# KiCad board DCTransistor_Bidirectional.kicad_pcb (continued)
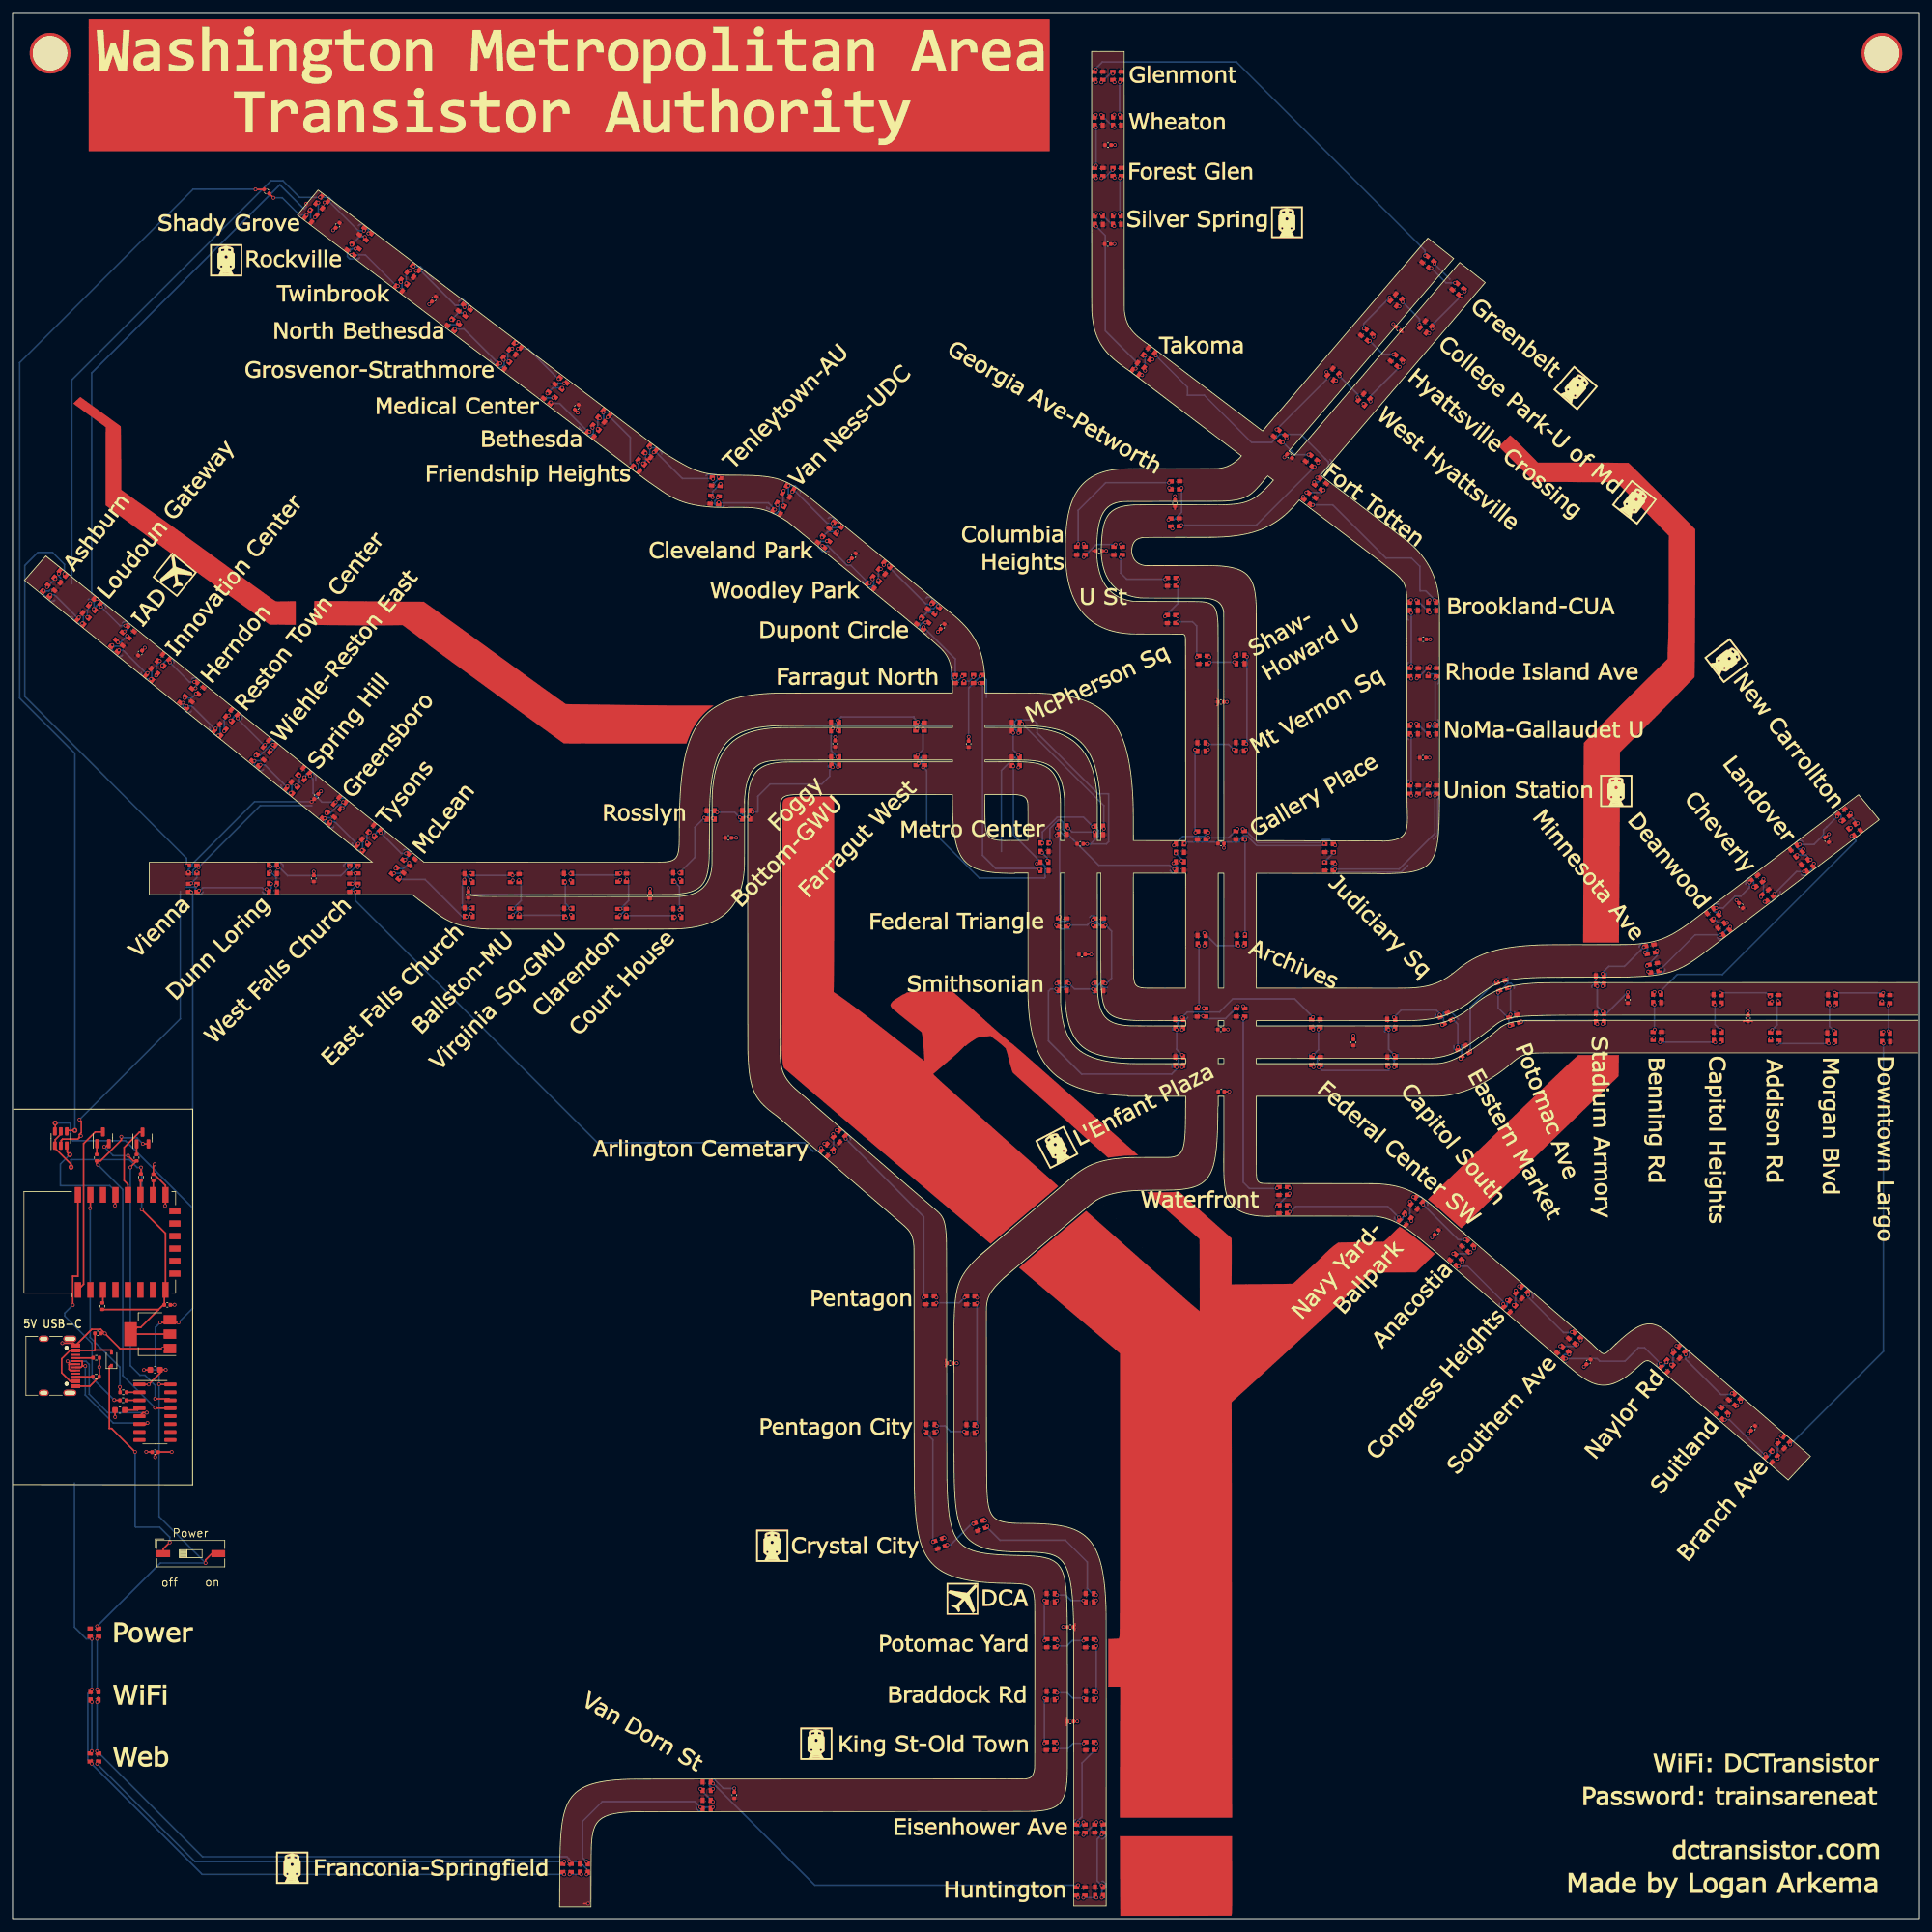
[diagram p0: board, top side]
## Placement (name value [footprint] x y rotation side) (continued)
D106  WS2812B  [LED_WS2812B_2.0x2.0mm-nosilk]  262.9 141.21 180 top
D107  WS2812B  [LED_WS2812B_2.0x2.0mm-nosilk]  262.86 147.23 90 top
D108  WS2812B  [LED_WS2812B_2.0x2.0mm-nosilk#3]  294.43 174.19 128 top
D109  WS2812B  [LED_WS2812B_2.0x2.0mm-nosilk#3]  292.71 176.54 218 top
D110  WS2812B  [LED_WS2812B_2.0x2.0mm-nosilk#3]  285.14 170.8 308 top
D111  WS2812B  [LED_WS2812B_2.0x2.0mm-nosilk#3]  286.87 168.46 308 top
D112  WS2812B  [LED_WS2812B_2.0x2.0mm-nosilk#3]  280.53 163.68 218 top
D113  WS2812B  [LED_WS2812B_2.0x2.0mm-nosilk#3]  278.79 165.98 218 top
D114  WS2812B  [LED_WS2812B_2.0x2.0mm-nosilk#3]  271.79 160.68 308 top
D115  WS2812B  [LED_WS2812B_2.0x2.0mm-nosilk#3]  273.51 158.33 308 top
D116  WS2812B  [LED_WS2812B_2.0x2.0mm-nosilk]  262.36 152.1 191 top
D117  WS2812B  [LED_WS2812B_2.0x2.0mm-nosilk]  261.81 155.07 191 top
D118  WS2812B  [LED_WS2812B_2.0x2.0mm-nosilk]  253.72 150.15 270 top
D119  WS2812B  [LED_WS2812B_2.0x2.0mm-nosilk]  253.73 144.12 270 top
D120  WS2812B  [LED_WS2812B_2.0x2.0mm-nosilk]  240.03 143.79 198 top
D121  WS2812B  [LED_WS2812B_2.0x2.0mm-nosilk]  238.12 149.29 198 top
D122  WS2812B  [LED_WS2812B_2.0x2.0mm-nosilk]  231.91 138.78 209 top
D123  WS2812B  [LED_WS2812B_2.0x2.0mm-nosilk]  229.08 144.02 209 top
D124  WS2812B  [LED_WS2812B_2.0x2.0mm-nosilk]  220.37 143.2 270 top
D125  WS2812B  [LED_WS2812B_2.0x2.0mm-nosilk]  220.41 137.19 270 top
D126  WS2812B  [LED_WS2812B_2.0x2.0mm-nosilk]  208.35 137.2 180 top
D127  WS2812B  [LED_WS2812B_2.0x2.0mm-nosilk]  208.3 143.23 180 top
D128  WS2812B  [LED_WS2812B_2.0x2.0mm-nosilk]  186.49 143.19 270 top
D129  WS2812B  [LED_WS2812B_2.0x2.0mm-nosilk]  186.5 137.2 270 top
D130  WS2812B  [LED_WS2812B_2.0x2.0mm-nosilk]  167.85 149.17 90 top
D131  WS2812B  [LED_WS2812B_2.0x2.0mm-nosilk]  173.71 149.15 90 top
D132  WS2812B  [LED_WS2812B_2.0x2.0mm-nosilk]  173.69 159.35 180 top
D133  WS2812B  [LED_WS2812B_2.0x2.0mm-nosilk]  167.83 159.36 180 top
D134  WS2812B  [LED_WS2812B_2.0x2.0mm-nosilk]  167.85 174.13 90 top
D135  WS2812B  [LED_WS2812B_2.0x2.0mm-nosilk]  173.68 174.07 90 top
D136  WS2812B  [LED_WS2812B_2.0x2.0mm-nosilk]  160.37 190.66 270 top
D137  WS2812B  [LED_WS2812B_2.0x2.0mm-nosilk]  160.36 185.12 270 top
D138  WS2812B  [LED_WS2812B_2.0x2.0mm-nosilk]  145.11 185.15 180 top
D139  WS2812B  [LED_WS2812B_2.0x2.0mm-nosilk]  145.05 190.66 180 top
D140  WS2812B  [LED_WS2812B_2.0x2.0mm-nosilk]  131.48 190.67 270 top
D141  WS2812B  [LED_WS2812B_2.0x2.0mm-nosilk]  131.5 185.17 270 top
D142  WS2812B  [LED_WS2812B_2.0x2.0mm-nosilk]  117.27 176.57 270 top
D143  WS2812B  [LED_WS2812B_2.0x2.0mm-nosilk]  111.6 176.54 270 top
D144  WS2812B  [LED_WS2812B_2.0x2.0mm-nosilk]  106.25 166.62 270 top
D145  WS2812B  [LED_WS2812B_2.0x2.0mm-nosilk]  106.27 160.87 270 top
D146  WS2812B  [LED_WS2812B_2.0x2.0mm-nosilk]  97.42 160.88 180 top
D147  WS2812B  [LED_WS2812B_2.0x2.0mm-nosilk]  97.45 166.52 180 top
D148  WS2812B  [LED_WS2812B_2.0x2.0mm-nosilk]  88.79 166.51 270 top
D149  WS2812B  [LED_WS2812B_2.0x2.0mm-nosilk]  88.83 160.93 270 top
D150  WS2812B  [LED_WS2812B_2.0x2.0mm-nosilk]  80.3 160.93 180 top
D151  WS2812B  [LED_WS2812B_2.0x2.0mm-nosilk]  80.28 166.45 180 top
D152  WS2812B  [LED_WS2812B_2.0x2.0mm-nosilk]  72.9 166.46 270 top
D153  WS2812B  [LED_WS2812B_2.0x2.0mm-nosilk]  72.92 161 270 top
D154  WS2812B  [LED_WS2812B_2.0x2.0mm-nosilk]  61.55 167.21 141 top
D155  WS2812B  [LED_WS2812B_2.0x2.0mm-nosilk]  63.37 169.41 141 top
D156  WS2812B  [LED_WS2812B_2.0x2.0mm-nosilk]  57.79 173.97 231 top
D157  WS2812B  [LED_WS2812B_2.0x2.0mm-nosilk]  55.94 171.71 231 top
D158  WS2812B  [LED_WS2812B_2.0x2.0mm-nosilk]  50.48 176.11 141 top
D159  WS2812B  [LED_WS2812B_2.0x2.0mm-nosilk]  52.28 178.41 231 top
D160  WS2812B  [LED_WS2812B_2.0x2.0mm-nosilk]  46.54 183.11 231 top
D161  WS2812B  [LED_WS2812B_2.0x2.0mm-nosilk]  44.66 180.87 231 top
D162  WS2812B  [LED_WS2812B_2.0x2.0mm-nosilk]  39.21 185.27 141 top
D163  WS2812B  [LED_WS2812B_2.0x2.0mm-nosilk]  41.02 187.53 231 top
D164  WS2812B  [LED_WS2812B_2.0x2.0mm-nosilk]  35.02 192.4 231 top
D165  WS2812B  [LED_WS2812B_2.0x2.0mm-nosilk]  33.18 190.12 231 top
D166  WS2812B  [LED_WS2812B_2.0x2.0mm-nosilk]  27.71 194.58 141 top
D167  WS2812B  [LED_WS2812B_2.0x2.0mm-nosilk]  29.58 196.82 141 top
D168  WS2812B  [LED_WS2812B_2.0x2.0mm-nosilk]  24.08 201.27 231 top
D169  WS2812B  [LED_WS2812B_2.0x2.0mm-nosilk]  22.25 199 231 top
D170  WS2812B  [LED_WS2812B_2.0x2.0mm-nosilk]  16.65 203.54 141 top
D171  WS2812B  [LED_WS2812B_2.0x2.0mm-nosilk]  18.49 205.79 141 top
D172  WS2812B  [LED_WS2812B_2.0x2.0mm-nosilk]  13.11 210.16 231 top
D173  WS2812B  [LED_WS2812B_2.0x2.0mm-nosilk]  11.28 207.89 231 top
D174  WS2812B  [LED_WS2812B_2.0x2.0mm-nosilk]  5.75 212.35 141 top
D175  WS2812B  [LED_WS2812B_2.0x2.0mm-nosilk]  7.59 214.62 51 top
D176  WS2812B  [LED_WS2812B_2.0x2.0mm-nosilk]  28.81 167.84 0 top
D177  WS2812B  [LED_WS2812B_2.0x2.0mm-nosilk]  28.82 164.9 0 top
D178  WS2812B  [LED_WS2812B_2.0x2.0mm-nosilk]  41.62 164.93 90 top
D179  WS2812B  [LED_WS2812B_2.0x2.0mm-nosilk]  41.6 167.86 90 top
D180  WS2812B  [LED_WS2812B_2.0x2.0mm-nosilk]  54.56 167.84 0 top
D181  WS2812B  [LED_WS2812B_2.0x2.0mm-nosilk]  54.56 164.92 0 top
D182  WS2812B  [LED_WS2812B_2.0x2.0mm-nosilk#2]  130.22 122.98 49 top
D183  WS2812B  [LED_WS2812B_2.0x2.0mm-nosilk#2]  132.15 125.17 49 top
D184  WS2812B  [LED_WS2812B_2.0x2.0mm-nosilk]  146.66 98.98 0 top
D185  WS2812B  [LED_WS2812B_2.0x2.0mm-nosilk]  153.17 98.97 0 top
D186  WS2812B  [LED_WS2812B_2.0x2.0mm-nosilk]  153.12 78.41 270 top
D187  WS2812B  [LED_WS2812B_2.0x2.0mm-nosilk]  146.74 78.46 270 top
D188  WS2812B  [LED_WS2812B_2.0x2.0mm-nosilk]  148.25 60.1 21 top
D189  WS2812B  [LED_WS2812B_2.0x2.0mm-nosilk]  154.69 62.99 21 top
D190  WS2812B  [LED_WS2812B_2.0x2.0mm-nosilk]  172.18 51.42 270 top
D191  WS2812B  [LED_WS2812B_2.0x2.0mm-nosilk]  165.94 51.42 270 top
D192  WS2812B  [LED_WS2812B_2.0x2.0mm-nosilk]  166 44.16 0 top
D193  WS2812B  [LED_WS2812B_2.0x2.0mm-nosilk]  172.2 44.15 0 top
D194  WS2812B  [LED_WS2812B_2.0x2.0mm-nosilk]  172.23 35.82 270 top
D195  WS2812B  [LED_WS2812B_2.0x2.0mm-nosilk]  165.94 35.8 270 top
D196  WS2812B  [LED_WS2812B_2.0x2.0mm-nosilk]  165.92 27.74 0 top
D197  WS2812B  [LED_WS2812B_2.0x2.0mm-nosilk]  172.22 27.73 0 top
D198  WS2812B  [LED_WS2812B_2.0x2.0mm-nosilk]  170.75 14.53 0 top
D199  WS2812B  [LED_WS2812B_2.0x2.0mm-nosilk]  173.66 14.54 0 top
D200  WS2812B  [LED_WS2812B_2.0x2.0mm-nosilk]  173.67 4.49 270 top
D201  WS2812B  [LED_WS2812B_2.0x2.0mm-nosilk]  170.74 4.49 180 top
D202  WS2812B  [LED_WS2812B_2.0x2.0mm-nosilk]  110.96 21.29 270 top
D203  WS2812B  [LED_WS2812B_2.0x2.0mm-nosilk]  110.95 18.38 270 top
D204  WS2812B  [LED_WS2812B_2.0x2.0mm-nosilk]  91.33 8.22 270 top
D205  WS2812B  [LED_WS2812B_2.0x2.0mm-nosilk]  88.61 8.23 180 top
D206  WS2812B  [LED_WS2812B_2.0x2.0mm-nosilk]  13.09 25.89 180 top
D207  WS2812B  [LED_WS2812B_2.0x2.0mm-nosilk]  13.1 35.76 90 top
D208  WS2812B  [LED_WS2812B_2.0x2.0mm-nosilk]  13.09 45.86 180 top
J0  USB_C_Receptacle  [USB_C_Receptacle_HRO_TYPE-C-31-M-12]  6.04 88.5 270 top
M2_0  -  [MountingHole_5.5mm_Pad]  298.8 298.3 180 top
M2_0#2  -  [MountingHole_5.5mm_Pad]  6 298.3 0 top
Q0  MMBT3904  [SOT-23]  14.45 124.94 90 top
Q1  MMBT3904  [SOT-23]  20.78 124.91 90 top
R0  5.1kR  [R_0402_1005Metric]  13.39 89.78 180 top
R1  470  [R_0402_1005Metric]  17.7 84.26 180 top
R2  470  [R_0402_1005Metric]  17.68 82.99 180 top
R3  5.1kR  [R_0402_1005Metric]  13.36 86.75 180 top
R4  12k  [R_0402_1005Metric]  13.47 121.76 90 top
R5  12k  [R_0402_1005Metric]  19.83 121.76 90 top
R6  10k  [R_0402_1005Metric]  14.35 98.03 90 top
R7  10k  [R_0402_1005Metric]  20.52 118.66 90 top
R8  300R  [R_0402_1005Metric]  40.61 276.21 142 top
R9  10k  [R_0402_1005Metric]  22.52 118.62 90 top
Ref**  Val**  [DCTransistor-Adjusted_Stations]  152.35 152.77 0 top
SW0  SW_SPST  [SW_DIP_SPSTx01_Slide_6.7x4.1mm_W6.73mm_P2.54mm_LowProfile_JPin]  28.49 58.47 0 top
U0  CH340C  [SOIC-16_3.9x9.9mm_P1.27mm]  22.76 81.08 0 top
U1  AMS1117-3.3  [SOT-223-3_TabPin2]  22.01 93.56 180 top
U2  ESP-12F  [ESP-12E]  13.95 108.23 90 top
U3  SN74LVC1T45DBV  [SOT-23-6]  7.72 124.83 90 top

## Footprints (pads in the part's own frame, mm; a bottom-side part is the same pattern mirrored in y, then rotated)
C_0402_1005Metric
  rrect 0.56x0.62 smd: 1(-0.48,0) 2(0.48,0)
C_0603_1608Metric
  rrect 0.9x0.95 smd: 1(-0.775,0) 2(0.775,0)
D_SOD-323
  rect 0.6x0.45 smd: 1(-1.05,0) 2(1.05,0)
ESP-12E
  rect 2.5x1 smd: 1(-7.6,3.5) 2(-7.6,1.5) 3(-7.6,-0.5) 4(-7.6,-2.5) 5(-7.6,-4.5) 6(-7.6,-6.5) 7(-7.6,-8.5) 8(-7.6,-10.5) 15(7.6,-10.5) 16(7.6,-8.5) 17(7.6,-6.5) 18(7.6,-4.5) 19(7.6,-2.5) 20(7.6,-0.5) 21(7.6,1.5) 22(7.6,3.5)
  rect 1x1.8 smd: 9(-5,-12) 10(-3,-12) 11(-1,-12) 12(1,-12) 13(3,-12) 14(5,-12)
LED_WS2812B_2.0x2.0mm-nosilk
  rect 0.85x0.65 smd: 1(0.675,-0.65) 2(0.675,0.65) 3(-0.675,0.65) 4(-0.675,-0.65)
LED_WS2812B_2.0x2.0mm-nosilk#2
  rect 0.85x0.65 smd: 1(0.675,-0.65) 2(0.675,0.65) 3(-0.675,0.65) 4(-0.675,-0.65)
LED_WS2812B_2.0x2.0mm-nosilk#3
  rect 0.85x0.65 smd: 1(0.675,-0.65) 2(0.675,0.65) 3(-0.675,0.65) 4(-0.675,-0.65)
MountingHole_5.5mm_Pad
  round 6.5 hole 5.5: 1(0,0)
R_0402_1005Metric
  rrect 0.54x0.64 smd: 1(-0.51,0) 2(0.51,0)
SOIC-16_3.9x9.9mm_P1.27mm
  rrect 1.95x0.6 smd: 1(-2.475,4.445) 2(-2.475,3.175) 3(-2.475,1.905) 4(-2.475,0.635) 5(-2.475,-0.635) 6(-2.475,-1.905) 7(-2.475,-3.175) 8(-2.475,-4.445) 9(2.475,-4.445) 10(2.475,-3.175) 11(2.475,-1.905) 12(2.475,-0.635) 13(2.475,0.635) 14(2.475,1.905) 15(2.475,3.175) 16(2.475,4.445)
SOT-23
  rrect 1.475x0.6 smd: 1(-0.938,0.95) 2(-0.938,-0.95) 3(0.938,0)
SOT-23-6
  rrect 1.325x0.6 smd: 1(-1.137,0.95) 2(-1.137,0) 3(-1.137,-0.95) 4(1.137,-0.95) 5(1.137,0) 6(1.137,0.95)
SOT-223-3_TabPin2
  rect 2x1.5 smd: 1(-3.15,2.3) 2(-3.15,0) 3(-3.15,-2.3)
  rect 2x3.8 smd: 2(3.15,0)
SW_DIP_SPSTx01_Slide_6.7x4.1mm_W6.73mm_P2.54mm_LowProfile_JPin
  rect 2.2x1.12 smd: 1(-4.4,0) 2(4.4,0)
USB_C_Receptacle_HRO_TYPE-C-31-M-12
  round 0.65 hole 0.65 unplated: (-2.89,2.6) (2.89,2.6)
  rect 0.6x1.45 smd: A1(-3.25,4.045) A4(-2.45,4.045) A9(2.45,4.045) A12(3.25,4.045) B1(3.25,4.045) B4(2.45,4.045) B9(-2.45,4.045) B12(-3.25,4.045)
  rect 0.3x1.45 smd: A5(-1.25,4.045) A6(-0.25,4.045) A7(0.25,4.045) A8(1.25,4.045) B5(1.75,4.045) B6(0.75,4.045) B7(-0.75,4.045) B8(-1.75,4.045)
  oval 1x2.1 hole 0.6x1.7: S1(-4.32,3.13) S1(4.32,3.13)
  oval 1x1.6 hole 0.6x1.2: S1(-4.32,-1.05) S1(4.32,-1.05)

## Nets
+3V3: C3.1 R6.1 R7.2 U1.2 U2.8 U3.1 U3.5
+5V: C0.1 C4.2 C5.1 C6.1 C7.1 C8.1 C9.1 C10.1 C11.1 C12.1 C13.1 C14.1 C15.1 C16.1 C17.1 C18.1 C19.1 C20.1 C21.1 C22.1 C23.1 C24.1 C25.1 C26.1 C27.1 C28.1 C29.1 C30.1 C31.1 C32.1 C33.1 C34.1 C35.1 C36.1 C37.1 C38.1 C39.1 C40.1 C41.1 C42.1 C43.1 D2.4 D3.4 D4.4 D5.4 D6.4 D7.4 D8.4 D9.4 D10.4 D11.4 D12.4 D13.4 D14.4 D15.4 D16.4 D17.4 D18.4 D19.4 D20.4 D21.4 D22.4 D23.4 D24.4 D25.4 D26.4 D27.4 D28.4 D29.4 D30.4 D31.4 D32.4 D33.4 D34.4 D35.4 D36.4 D37.4 D38.4 D39.4 D40.4 D41.4 D42.4 D43.4 D44.4 D45.4 D46.4 D47.4 D48.4 D49.4 D50.4 D51.4 D52.4 D53.4 D54.4 D55.4 D56.4 D57.4 D58.4 D59.4 D60.4 D61.4 D62.4 D63.4 D64.4 D65.4 D66.4 D67.4 D68.4 D69.4 D70.4 D71.4 D72.4 D73.4 D74.4 D75.4 D76.4 D77.4 D78.4 D79.4 D80.4 D81.4 D82.4 D83.4 D84.4 D85.4 D86.4 D87.4 D88.4 D89.4 D90.4 D91.4 D92.4 D93.4 D94.4 D95.4 D96.4 D97.4 D98.4 D99.4 D100.4 D101.4 D102.4 D103.4 D104.4 D105.4 D106.4 D107.4 D108.4 D109.4 D110.4 D111.4 D112.4 D113.4 D114.4 D115.4 D116.4 D117.4 D118.4 D119.4 D120.4 D121.4 D122.4 D123.4 D124.4 D125.4 D126.4 D127.4 D128.4 D129.4 D130.4 D131.4 D132.4 D133.4 D134.4 D135.4 D136.4 D137.4 D138.4 D139.4 D140.4 D141.4 D142.4 D143.4 D144.4 D145.4 D146.4 D147.4 D148.4 D149.4 D150.4 D151.4 D152.4 D153.4 D154.4 D155.4 D156.4 D157.4 D158.4 D159.4 D160.4 D161.4 D162.4 D163.4 D164.4 D165.4 D166.4 D167.4 D168.4 D169.4 D170.4 D171.4 D172.4 D173.4 D174.4 D175.4 D176.4 D177.4 D178.4 D179.4 D180.4 D181.4 D182.4 D183.4 D184.4 D185.4 D186.4 D187.4 D188.4 D189.4 D190.4 D191.4 D192.4 D193.4 D194.4 D195.4 D196.4 D197.4 D198.4 D199.4 D200.4 D201.4 D202.4 D203.4 D204.4 D205.4 D206.4 D207.4 D208.4 SW0.2 U0.16 U1.3 U3.6
GND: C0.2 C1.2 C2.2 C3.2 C4.1 C5.2 C6.2 C7.2 C8.2 C9.2 C10.2 C11.2 C12.2 C13.2 C14.2 C15.2 C16.2 C17.2 C18.2 C19.2 C20.2 C21.2 C22.2 C23.2 C24.2 C25.2 C26.2 C27.2 C28.2 C29.2 C30.2 C31.2 C32.2 C33.2 C34.2 C35.2 C36.2 C37.2 C38.2 C39.2 C40.2 C41.2 C42.2 C43.2 D2.2 D3.2 D4.2 D5.2 D6.2 D7.2 D8.2 D9.2 D10.2 D11.2 D12.2 D13.2 D14.2 D15.2 D16.2 D17.2 D18.2 D19.2 D20.2 D21.2 D22.2 D23.2 D24.2 D25.2 D26.2 D27.2 D28.2 D29.2 D30.2 D31.2 D32.2 D33.2 D34.2 D35.2 D36.2 D37.2 D38.2 D39.2 D40.2 D41.2 D42.2 D43.2 D44.2 D45.2 D46.2 D47.2 D48.2 D49.2 D50.2 D51.2 D52.2 D53.2 D54.2 D55.2 D56.2 D57.2 D58.2 D59.2 D60.2 D61.2 D62.2 D63.2 D64.2 D65.2 D66.2 D67.2 D68.2 D69.2 D70.2 D71.2 D72.2 D73.2 D74.2 D75.2 D76.2 D77.2 D78.2 D79.2 D80.2 D81.2 D82.2 D83.2 D84.2 D85.2 D86.2 D87.2 D88.2 D89.2 D90.2 D91.2 D92.2 D93.2 D94.2 D95.2 D96.2 D97.2 D98.2 D99.2 D100.2 D101.2 D102.2 D103.2 D104.2 D105.2 D106.2 D107.2 D108.2 D109.2 D110.2 D111.2 D112.2 D113.2 D114.2 D115.2 D116.2 D117.2 D118.2 D119.2 D120.2 D121.2 D122.2 D123.2 D124.2 D125.2 D126.2 D127.2 D128.2 D129.2 D130.2 D131.2 D132.2 D133.2 D134.2 D135.2 D136.2 D137.2 D138.2 D139.2 D140.2 D141.2 D142.2 D143.2 D144.2 D145.2 D146.2 D147.2 D148.2 D149.2 D150.2 D151.2 D152.2 D153.2 D154.2 D155.2 D156.2 D157.2 D158.2 D159.2 D160.2 D161.2 D162.2 D163.2 D164.2 D165.2 D166.2 D167.2 D168.2 D169.2 D170.2 D171.2 D172.2 D173.2 D174.2 D175.2 D176.2 D177.2 D178.2 D179.2 D180.2 D181.2 D182.2 D183.2 D184.2 D185.2 D186.2 D187.2 D188.2 D189.2 D190.2 D191.2 D192.2 D193.2 D194.2 D195.2 D196.2 D197.2 D198.2 D199.2 D200.2 D201.2 D202.2 D203.2 D204.2 D205.2 D206.2 D207.2 D208.2 J0.A1 J0.A12 J0.B1 J0.B12 J0.S1 R0.1 R3.1 R9.2 U0.1 U1.1 U2.15 U3.2
VBUS: C1.1 D0.2 J0.A4 J0.A9 J0.B4 J0.B9
/73-74: D73.1 D74.3
/145-146: D145.1 D146.3
/DIN: D2.3 R8.1
/esp-gpio0: Q1.3 U2.18
/esp-rst: Q0.3 U2.1
/GPIO_DATA: U2.19 U3.3
/rxd-to-tx: R2.2 U2.22
/txd-to-rx: R1.2 U2.21
Net-(C2-Pad1): C2.1 U0.4
Net-(D0-Pad1): D0.1 SW0.1
Net-(D2-Pad1): D2.1 D3.3
Net-(D3-Pad1): D3.1 D4.3
Net-(D4-Pad1): D4.1 D5.3
Net-(D5-Pad1): D5.1 D6.3
Net-(D6-Pad1): D6.1 D7.3
Net-(D7-Pad1): D7.1 D8.3
Net-(D8-Pad1): D8.1 D9.3
Net-(D10-Pad1): D10.1 D11.3
Net-(D10-Pad3): D9.1 D10.3
Net-(D11-Pad1): D11.1 D12.3
Net-(D12-Pad1): D12.1 D13.3
Net-(D13-Pad1): D13.1 D14.3
Net-(D14-Pad1): D14.1 D15.3
Net-(D15-Pad1): D15.1 D16.3
Net-(D16-Pad1): D16.1 D17.3
Net-(D17-Pad1): D17.1 D18.3
Net-(D18-Pad1): D18.1 D19.3
Net-(D19-Pad1): D19.1 D20.3
Net-(D20-Pad1): D20.1 D21.3
Net-(D21-Pad1): D21.1 D22.3
Net-(D22-Pad1): D22.1 D23.3
Net-(D23-Pad1): D23.1 D24.3
Net-(D24-Pad1): D24.1 D25.3
Net-(D25-Pad1): D25.1 D26.3
Net-(D26-Pad1): D26.1 D27.3
Net-(D27-Pad1): D27.1 D28.3
Net-(D28-Pad1): D28.1 D29.3
Net-(D29-Pad1): D29.1 D30.3
Net-(D30-Pad1): D30.1 D31.3
Net-(D31-Pad1): D31.1 D32.3
Net-(D32-Pad1): D32.1 D33.3
Net-(D33-Pad1): D33.1 D34.3
Net-(D34-Pad1): D34.1 D35.3
Net-(D35-Pad1): D35.1 D36.3
Net-(D36-Pad1): D36.1 D37.3
Net-(D37-Pad1): D37.1 D38.3
Net-(D38-Pad1): D38.1 D39.3
Net-(D39-Pad1): D39.1 D40.3
Net-(D40-Pad1): D40.1 D41.3
Net-(D41-Pad1): D41.1 D42.3
Net-(D42-Pad1): D42.1 D43.3
Net-(D43-Pad1): D43.1 D44.3
Net-(D44-Pad1): D44.1 D45.3
Net-(D45-Pad1): D45.1 D46.3
Net-(D46-Pad1): D46.1 D47.3
Net-(D47-Pad1): D47.1 D48.3
Net-(D48-Pad1): D48.1 D49.3
Net-(D49-Pad1): D49.1 D50.3
Net-(D50-Pad1): D50.1 D51.3
Net-(D51-Pad1): D51.1 D52.3
Net-(D52-Pad1): D52.1 D53.3
Net-(D53-Pad1): D53.1 D54.3
Net-(D54-Pad1): D54.1 D55.3
Net-(D55-Pad1): D55.1 D56.3
Net-(D56-Pad1): D56.1 D57.3
Net-(D57-Pad1): D57.1 D58.3
Net-(D58-Pad1): D58.1 D59.3
Net-(D59-Pad1): D59.1 D60.3
Net-(D60-Pad1): D60.1 D61.3
Net-(D61-Pad1): D61.1 D62.3
Net-(D62-Pad1): D62.1 D63.3
Net-(D63-Pad1): D63.1 D64.3
Net-(D64-Pad1): D64.1 D65.3
Net-(D65-Pad1): D65.1 D66.3
Net-(D66-Pad1): D66.1 D67.3
Net-(D67-Pad1): D67.1 D68.3
Net-(D68-Pad1): D68.1 D69.3
Net-(D69-Pad1): D69.1 D70.3
Net-(D70-Pad1): D70.1 D71.3
Net-(D71-Pad1): D71.1 D72.3
Net-(D72-Pad1): D72.1 D73.3
Net-(D74-Pad1): D74.1 D75.3
Net-(D75-Pad1): D75.1 D76.3
Net-(D76-Pad1): D76.1 D77.3
Net-(D77-Pad1): D77.1 D78.3
Net-(D78-Pad1): D78.1 D79.3
Net-(D79-Pad1): D79.1 D80.3
Net-(D80-Pad1): D80.1 D81.3
Net-(D81-Pad1): D81.1 D82.3
Net-(D82-Pad1): D82.1 D83.3
Net-(D83-Pad1): D83.1 D84.3
Net-(D84-Pad1): D84.1 D85.3
Net-(D85-Pad1): D85.1 D86.3
Net-(D86-Pad1): D86.1 D87.3
Net-(D87-Pad1): D87.1 D88.3
Net-(D88-Pad1): D88.1 D89.3
Net-(D89-Pad1): D89.1 D90.3
Net-(D90-Pad1): D90.1 D91.3
Net-(D91-Pad1): D91.1 D92.3
Net-(D92-Pad1): D92.1 D93.3
Net-(D93-Pad1): D93.1 D94.3
Net-(D94-Pad1): D94.1 D95.3
Net-(D95-Pad1): D95.1 D96.3
Net-(D96-Pad1): D96.1 D97.3
Net-(D97-Pad1): D97.1 D98.3
Net-(D98-Pad1): D98.1 D99.3
Net-(D100-Pad1): D100.1 D101.3
Net-(D100-Pad3): D99.1 D100.3
Net-(D101-Pad1): D101.1 D102.3
Net-(D102-Pad1): D102.1 D103.3
Net-(D103-Pad1): D103.1 D104.3
Net-(D104-Pad1): D104.1 D105.3
Net-(D105-Pad1): D105.1 D106.3
Net-(D106-Pad1): D106.1 D107.3
Net-(D107-Pad1): D107.1 D108.3
Net-(D108-Pad1): D108.1 D109.3
Net-(D109-Pad1): D109.1 D110.3
Net-(D110-Pad1): D110.1 D111.3
Net-(D111-Pad1): D111.1 D112.3
Net-(D112-Pad1): D112.1 D113.3
Net-(D113-Pad1): D113.1 D114.3
Net-(D114-Pad1): D114.1 D115.3
Net-(D115-Pad1): D115.1 D116.3
Net-(D116-Pad1): D116.1 D117.3
Net-(D117-Pad1): D117.1 D118.3
Net-(D118-Pad1): D118.1 D119.3
Net-(D119-Pad1): D119.1 D120.3
Net-(D120-Pad1): D120.1 D121.3
Net-(D121-Pad1): D121.1 D122.3
Net-(D122-Pad1): D122.1 D123.3
Net-(D123-Pad1): D123.1 D124.3
Net-(D124-Pad1): D124.1 D125.3
Net-(D125-Pad1): D125.1 D126.3
Net-(D126-Pad1): D126.1 D127.3
Net-(D127-Pad1): D127.1 D128.3
Net-(D128-Pad1): D128.1 D129.3
Net-(D129-Pad1): D129.1 D130.3
Net-(D130-Pad1): D130.1 D131.3
Net-(D131-Pad1): D131.1 D132.3
Net-(D132-Pad1): D132.1 D133.3
Net-(D133-Pad1): D133.1 D134.3
Net-(D134-Pad1): D134.1 D135.3
Net-(D135-Pad1): D135.1 D136.3
Net-(D136-Pad1): D136.1 D137.3
Net-(D137-Pad1): D137.1 D138.3
Net-(D138-Pad1): D138.1 D139.3
Net-(D139-Pad1): D139.1 D140.3
Net-(D140-Pad1): D140.1 D141.3
Net-(D141-Pad1): D141.1 D142.3
Net-(D142-Pad1): D142.1 D143.3
Net-(D143-Pad1): D143.1 D144.3
Net-(D144-Pad1): D144.1 D145.3
Net-(D146-Pad1): D146.1 D147.3
Net-(D147-Pad1): D147.1 D148.3
Net-(D148-Pad1): D148.1 D149.3
Net-(D149-Pad1): D149.1 D150.3
Net-(D150-Pad1): D150.1 D151.3
Net-(D151-Pad1): D151.1 D152.3
Net-(D152-Pad1): D152.1 D153.3
Net-(D153-Pad1): D153.1 D154.3
Net-(D154-Pad1): D154.1 D155.3
Net-(D155-Pad1): D155.1 D156.3
Net-(D156-Pad1): D156.1 D157.3
Net-(D157-Pad1): D157.1 D158.3
Net-(D158-Pad1): D158.1 D159.3
Net-(D159-Pad1): D159.1 D160.3
Net-(D160-Pad1): D160.1 D161.3
Net-(D161-Pad1): D161.1 D162.3
Net-(D162-Pad1): D162.1 D163.3
Net-(D163-Pad1): D163.1 D164.3
Net-(D164-Pad1): D164.1 D165.3
Net-(D165-Pad1): D165.1 D166.3
Net-(D166-Pad1): D166.1 D167.3
Net-(D167-Pad1): D167.1 D168.3
Net-(D168-Pad1): D168.1 D169.3
Net-(D169-Pad1): D169.1 D170.3
Net-(D170-Pad1): D170.1 D171.3
Net-(D171-Pad1): D171.1 D172.3
Net-(D172-Pad1): D172.1 D173.3
Net-(D173-Pad1): D173.1 D174.3
Net-(D174-Pad1): D174.1 D175.3
Net-(D175-Pad1): D175.1 D176.3
Net-(D176-Pad1): D176.1 D177.3
Net-(D177-Pad1): D177.1 D178.3
Net-(D178-Pad1): D178.1 D179.3
Net-(D179-Pad1): D179.1 D180.3
Net-(D180-Pad1): D180.1 D181.3
Net-(D181-Pad1): D181.1 D182.3
Net-(D182-Pad1): D182.1 D183.3
Net-(D183-Pad1): D183.1 D184.3
Net-(D184-Pad1): D184.1 D185.3
Net-(D185-Pad1): D185.1 D186.3
Net-(D186-Pad1): D186.1 D187.3
Net-(D187-Pad1): D187.1 D188.3
Net-(D188-Pad1): D188.1 D189.3
Net-(D189-Pad1): D189.1 D190.3
Net-(D190-Pad1): D190.1 D191.3
Net-(D191-Pad1): D191.1 D192.3
Net-(D192-Pad1): D192.1 D193.3
Net-(D193-Pad1): D193.1 D194.3
Net-(D194-Pad1): D194.1 D195.3
Net-(D195-Pad1): D195.1 D196.3
Net-(D196-Pad1): D196.1 D197.3
Net-(D197-Pad1): D197.1 D198.3
Net-(D198-Pad1): D198.1 D199.3
Net-(D199-Pad1): D199.1 D200.3
Net-(D200-Pad1): D200.1 D201.3
Net-(D201-Pad1): D201.1 D202.3
Net-(D202-Pad1): D202.1 D203.3
Net-(D203-Pad1): D203.1 D204.3
Net-(D204-Pad1): D204.1 D205.3
Net-(D205-Pad1): D205.1 D206.3
Net-(D206-Pad1): D206.1 D207.3
Net-(D207-Pad1): D207.1 D208.3
Net-(J0-PadA5): J0.A5 R0.2
Net-(J0-PadA6): J0.A6 J0.B6 U0.5
Net-(J0-PadA7): J0.A7 J0.B7 U0.6
Net-(J0-PadB5): J0.B5 R3.2
Net-(Q0-Pad1): Q0.1 R4.2
Net-(Q0-Pad2): Q0.2 R5.1 U0.14
Net-(Q1-Pad1): Q1.1 R5.2
Net-(Q1-Pad2): Q1.2 R4.1 U0.13
Net-(R1-Pad1): R1.1 U0.2
Net-(R2-Pad1): R2.1 U0.3
Net-(R6-Pad2): R6.2 U2.3
Net-(R7-Pad1): R7.1 U2.17
Net-(R8-Pad2): R8.2 U3.4
Net-(R9-Pad1): R9.1 U2.16

Pads without a net: D208 1; J0 A8 B8; M2_0 1; M2_0#2 1; U0 7 8 9 10 11 12 15; U2 2 4 5 6 7 9 10 11 12 13 14 20

## Via types
v1: diameter 0.6, hole 0.4, Top to Bottom, 712 vias
v2: diameter 0.8, hole 0.4, Top to Bottom, 4 vias

## Routing (per net, layer and track width the routed paths; a pad name or vN(x,y) marks a point on that pad's centre or on a via; arc(x,y) is an arc through that point)
+3V3: length 67.9
  Top w0.25: 7.79,126 7.79,125.6 6.84,124.65 6.84,123.24 ; 20.47,119.21 20.55,119.29 20.55,120.18 ; U1.2 U1.2 19.94,94.64 20.49,94.64 23.33,97.48 ; 23.33,97.48 24.08,98.23 C3.1 24.27,100.29 24.45,100.47 24.45,109.68 v1(20.65,113.48) ; 23.33,97.48 23.32,97.49 14.38,97.49 R6.1 ; v2(9.36,120.25) 9.36,120.72 6.77,123.31 U3.1
  Bottom w0.25: 20.63,113.5 v1(20.65,113.48) 20.65,120.08 v1(20.54,120.19) 19.92,120.19 18.64,121.46 9.36,121.46 9.35,121.45 ; v2(9.36,120.25) 9.36,121.44 9.35,121.45
+5V: length 401.8
  Top w0.25: 31.86,58.47 30.85,57.47 v1(30.85,56.98) ; 168.48,32.25 168.48,31.78 C33.1 168.46,31.46 168.46,31.01 ; 13.52,26.31 13.52,26.9 v1(13.51,26.9) ; v1(21,87.83) 22,87.83 22.02,87.86 ; v1(13.52,211.05) 13.34,211.05 13.05,210.76 ; v1(23.43,85.55) 23.45,85.53 U0.16 ; v1(23.61,95.41) 26.32,95.41 ; 149.14,88.35 149.14,88.67 C35.1 149.14,89.15 149.14,89.51 ; v1(13.53,34.76) 13.53,34.76 13.53,35.34 ; v1(13.52,46.87) 13.52,46.87 13.52,46.29 ; 6.84,126 6.84,127.28 v2(6.82,127.3) ; 89.03,8.66 89,8.69 v1(89,9.25) 89,9.17 D205.4 ; 192.5,194.01 192.65,194.16 C17.1 192.65,194.98 192.52,195.11 ; C11.1 185.8,225.43 ; C40.1 221.9,253.96 222.19,253.67 ; D17.4 101.67,233.4 101.3,233.4 101.78,232.92 ; C22.1 172.64,218.74 ; 276.68,143.52 276.75,143.59 C21.1 278.01,143.59 278.07,143.53 ; 28.39,167.42 28.12,167.42 v1(28.12,167.42) ; v1(28.57,164.21) 28.57,164.3 28.39,164.48 ; C15.1 48.25,179.1 v1(47.81,178.66) ; 169.82,47.28 169.82,47 C10.1 169.8,46.52 169.8,46.21 ; v1(92,2.57) 91.33,2.57 ; v1(21.37,74.75) 22.04,74.75
  Bottom w0.25: v1(26.53,95.41) 28.8,97.68 28.8,113.73 ; v1(47.81,178.66) 38.68,178.66 28.69,168.67 28.69,168.43 28.12,167.86 v1(28.12,167.42) ; v1(23.61,95.41) 22.83,94.63 22.83,88.46 23.43,87.86 ; 28.8,113.73 18.05,124.48 9.59,124.48 ; 28.8,113.73 28.8,163.98 v1(28.57,164.21) ; 20.99,87.82 v1(21,87.83) 23.4,87.83 23.43,87.86 ; v1(92,2.57) 92.38,2.95 92.38,7.48 90.61,9.25 v1(89,9.25) 89,9.65 88.61,10.04 30.37,10.04 v1(13.51,26.9) 13.51,34.74 v1(13.53,34.76) ; 23.43,87.86 v1(23.43,85.55) 23.43,74.71 ; 9.71,124.47 9.25,124.94 9.25,127.27 9.25,127.28 9.23,127.3 v2(6.82,127.3) ; 23.43,74.71 23.38,74.76 21.38,74.76 v1(21.37,74.75) ; 23.43,74.71 23.43,64.4 v1(30.85,56.98) 23.63,56.98 v1(13.52,46.87) ; v1(13.52,211.05) 12.66,211.91 12.66,247.2 42.73,277.27 46.6,273.39 46.96,273.75 v1(46.96,274.25)
GND: length 955.8
  Top w0.25: 170.31,4.06 170.31,3.5 v1(170.32,3.49) ; v1(190.35,145.66) 190.46,145.56 190.46,145.4 ; v1(171.17,15.54) 171.18,15.54 171.18,14.95 ; v1(233.6,107.27) 233.19,107.68 233.19,107.69 ; 225.95,253.95 226.02,253.95 v1(226.43,253.54) ; 196.6,187 197.16,187 v1(197.18,187.02) ; v1(41.34,165.55) 41.34,165.5 41.2,165.36 ; v1(254.15,149.16) 254.15,149.17 254.15,149.73 ; v1(164.62,172.04) 164.62,171.91 164.53,171.81 ; 239.25,98.6 239.25,98.61 v1(238.86,99) ; 254.16,143.7 254.16,143.14 v1(254.16,143.13) ; v1(221.67,257.82) 221.24,258.25 221.21,258.25 ; 24.45,115.31 24.45,114.13 v1(24.39,114.07) ; v1(41.34,186.95) 41.32,186.93 41.08,186.93 ; v1(122.25,226.07) 122.25,226.09 122.29,226.13 ; 272.96,146.72 272.96,146.16 v1(272.97,146.15) ; v1(151.8,198.69) 151.79,198.69 ; v1(22.81,73.9) 22.81,74.23 22.91,74.34 22.91,74.34 23.32,74.75 23.59,74.75 ; 273,140.75 273,140.18 v1(273,140.17) ; 231.66,260.64 231.72,260.64 v1(232.13,260.23) ; 130.18,123.58 130.18,123.59 v1(129.76,124.01) ; v1(17.94,205.88) 17.94,205.78 17.89,205.73 ; 13.17,209.56 13.07,209.46 v1(12.96,209.46) ; v1(223.53,210.87) 223.54,210.86 223.54,210.31 ; J0.A12 12.37,85.25 R3.1 13.87,89.75 R0.1 ; 203.53,113.97 204.09,113.97 v1(204.1,113.97) ; 160.78,184.69 160.78,184.13 v1(160.79,184.13) ; v1(196.7,145.98) 196.71,145.97 196.71,145.4 ; v1(237.45,148.15) 237.85,148.55 237.85,148.75 ; v1(130.16,220.31) 130.19,220.31 130.24,220.26 ; v1(220.7,255) 221.14,254.56 C40.2 ; v1(172.7,149.57) 172.71,149.58 173.28,149.58 ; v1(174.08,15.56) 174.09,15.56 174.09,14.97 ; v1(73.28,166.14) 73.28,166.08 73.33,166.04 ; 112.68,227.27 112.69,227.27 v1(112.7,227.28) ; v1(208.67,232.83) 208.29,233.21 208.22,233.21 ; 291.13,140.61 291.13,140.06 v1(291.14,140.06) ; v1(117.69,176.24) 117.69,176.24 117.69,176.15 ; 262.02,151.6 261.52,151.6 v1(261.44,151.52) ; v1(7.96,92.12) 9.71,92.12 J0.A1 12.66,94.32 14.12,94.32 v1(14.77,93.67) ; 144.69,184.73 144.75,184.73 v1(144.8,184.77) ; v1(194.11,194.61) 194.1,194.6 C17.2 ; 281.24,140.71 281.14,140.8 v1(281,140.8) ; v1(44.46,180.07) 44.52,180.07 44.72,180.27 ; 89.25,160.51 89.24,160.52 v1(89.24,160.61) ; 111.39,20.87 111.97,20.87 v1(111.97,20.87) ; v1(194.27,142.26) 194.26,142.27 C20.2 ; 132.11,125.77 132.11,125.77 v1(131.72,126.16) ; v1(262.43,148.24) 262.44,148.24 262.44,147.66 ; v1(184.88,228.8) 184.88,228.81 185.44,228.81 ; v1(186.31,214.25) 186.29,214.24 185.72,214.24 ; 12.66,25.47 12.66,24.91 v1(12.66,24.9) ; v1(111.9,176.02) 111.93,176.02 112.03,176.12 ; C5.2 51.66,270.41 v1(51.24,269.99) ; v1(220.8,142.22) 220.79,142.23 220.79,142.78 ; 73.34,160.58 73.3,160.62 v1(73.3,160.71) ; v1(12.67,36.76) 12.68,36.75 12.68,36.19 ; v1(154.7,198.71) 154.71,198.71 ; v1(90.35,240.85) 89.88,241.32 C7.2 ; v1(106.65,166.32) 106.65,166.22 106.67,166.2 ; 196.63,173.75 196.63,174.3 v1(196.64,174.3) ; v1(92.71,238.43) 92.71,238.47 92.75,238.51 ; 10.68,124.99 10.43,124.74 8,124.74 7.79,124.53 7.79,123.72 ; 10.68,124.99 10.7,125.01 10.7,125.47 ; 10.68,124.99 v1(10.93,125.24) 10.7,125.47 ; v1(217.51,252.96) 217.13,253.34 217.06,253.34 ; v1(190.49,155.64) 190.49,155.65 190.49,156.19 ; 273.84,80.93 273.84,80.93 v1(274.24,80.53) ; C1.2 14.75,93.69 v1(14.77,93.67) ; v1(180.55,246.85) 180.11,247.29 180.04,247.29 ; v1(220.85,136.21) 220.84,136.23 220.84,136.77 ; 281.19,146.68 281.21,146.69 v1(281.21,146.75) ; C9.2 v1(194.49,132.32) ; v1(29.35,165.3) 29.32,165.33 29.25,165.33 ; v1(282.66,77.28) 283.08,76.86 283.08,76.84 ; v1(57.76,173.31) 57.79,173.31 57.85,173.37 ; v1(173.24,35.4) 173.24,35.4 172.66,35.4 ; 148.49,60.65 148.62,60.65 v1(148.95,60.98) ; v1(174.1,3.5) 174.09,3.5 174.09,4.06 ; C43.2 v1(172.41,154.24) ; 16.05,203.48 15.95,203.58 v1(15.95,203.7) ; 41.17,168.29 41.2,168.31 v1(41.2,168.31) ; v1(73.06,257.75) 73.06,257.53 72.83,257.29 ; v1(106.66,160.51) 106.66,160.48 106.69,160.45 ; v1(278.25,165.04) 278.59,165.38 278.72,165.38 ; v1(186.26,208.29) 186.25,208.29 185.69,208.29 ; 272.39,160.61 272.45,160.61 v1(272.84,161) ; 55.11,267.09 55.06,267.04 v1(54.82,267.04) ; 275.84,83.15 275.84,83.15 v1(276.24,82.75) ; 123.78,228.84 124.03,229.09 v1(124.03,229.16) ; 206.7,227.03 206.64,227.03 v1(206.28,227.39) ; v1(281.29,74.76) 281.28,74.76 281.12,74.6 ; 226.49,210.31 226.49,210.87 v1(226.47,210.88) ; U1.1 24.06,91.26 v1(24.05,91.25) 17.19,91.25 v1(14.77,93.67) ; C22.2 174.79,218.74 v1(174.8,218.75) ; v1(145.94,207.3) 146.04,207.3 146.08,207.26 ; v1(173.22,44.57) 173.22,44.57 172.62,44.57 ; 153.59,99.4 154.18,99.4 v1(154.18,99.39) ; 248.41,90.7 248.41,90.7 v1(248.81,90.3) ; 10.7,125.47 10.99,125.76 10.99,127.56 v1(10.7,127.85) ; 154.93,63.54 155.27,63.54 v1(155.46,63.73) ; v1(11.14,207.16) 11.21,207.16 11.34,207.29 ; 285.74,170.73 285.83,170.73 v1(286.21,171.11) ; v1(191.31,201.77) 191.31,201.77 190.72,201.77 ; v1(185.39,222.31) 185.38,222.31 185.38,222.88 ; C31.2 251.59,88.77 v1(251.16,88.34) ; 173.19,278.88 173.19,278.34 v1(173.19,278.33) ; v1(4.95,212.4) 5.06,212.29 5.15,212.29 ; C15.2 48.85,179.88 v1(49.3,180.33) ; v1(186.93,136.23) 186.93,136.24 186.93,136.78 ; v1(163.71,168.76) 163.71,168.76 164.51,168.76 ; v1(29.75,168.19) 29.68,168.27 29.23,168.27 ; 27.11,194.52 27.16,194.47 v1(27.24,194.47) ; v1(139.26,216.5) 139.26,216.55 139.3,216.59 ; v1(171.76,171.91) 171.75,171.92 C18.2 ; v1(97.07,160.52) 97.06,160.52 97,160.46 ; 190.47,186.98 191.06,186.98 v1(191.07,186.98) ; v1(176.09,272.59) 176.09,272.59 176.09,272.06 ; C35.2 v1(150.93,88.91) ; v1(172.64,158.92) 172.65,158.93 173.26,158.93 ; v1(176.15,278.37) 176.13,278.38 176.13,278.91 ; v1(48.14,167.47) 48.15,167.46 C41.2 ; v1(22.13,198.28) 22.19,198.28 22.31,198.4 ; 79.88,160.51 79.91,160.54 v1(80,160.54) ; 287.47,168.39 287.53,168.39 v1(287.92,168.78) ; 261.47,154.57 260.93,154.57 v1(260.9,154.54) ; v1(293.81,174.47) 293.81,174.29 293.83,174.26 ; v1(191.14,173.73) 191.13,173.73 190.5,173.73 ; v1(204.13,116.9) 204.12,116.89 203.53,116.89 ; v1(291.26,146.14) 291.25,146.15 291.25,146.7 ; v1(280.03,162.67) 280.44,163.08 280.46,163.08 ; v1(226.89,109.03) 227.31,109.45 C24.2 ; v1(60.98,167.21) 60.98,167.18 60.95,167.15 ; v1(80.55,251.98) 80.23,251.66 ; 195.84,201.83 195.28,201.83 v1(195.27,201.82) ; 166.43,44.59 167,44.59 v1(167,44.59) ; 86.42,243.29 86.42,243.29 v1(86.42,243.2) ; v1(38.67,185.17) 38.65,185.17 38.61,185.21 ; v1(132.19,222.94) 132.19,222.64 132.07,222.51 ; v1(147.75,78.04) 147.75,78.04 147.16,78.04 ; 221.81,249.24 221.83,249.24 v1(222.25,248.82) ; v1(88.16,245.54) 88.19,245.54 88.24,245.58 ; v1(56.88,269.49) 56.88,269.41 56.88,269.4 ; v1(147.96,209.94) 147.96,209.78 147.82,209.63 ; v1(277.39,145.16) 277.4,145.15 C21.2 ; 167.41,158.94 166.81,158.94 v1(166.81,158.94) ; C28.2 v1(226.59,204.62) ; v1(211.41,171.69) 211.41,171.69 210.87,171.69 ; 46.6,182.51 46.64,182.55 v1(46.64,182.57) ; C10.2 167.94,46.75 v1(167.93,46.76) ; 207.93,136.78 207.93,136.25 v1(207.93,136.24) ; 176.12,294.25 176.12,293.68 v1(176.13,293.66) ; C19.2 275.96,162.5 v1(275.55,162.91) ; v1(89.18,166.12) 89.22,166.09 ; v1(222.64,112.62) 222.59,112.62 222.51,112.53 ; v1(226.49,191.14) 226.5,191.13 226.5,190.6 ; v1(290.32,173.48) 289.8,172.96 C25.2 ; 186.16,171.68 185.63,171.68 v1(185.63,171.68) ; 137.52,214.29 137.48,214.25 v1(137.48,214.23) ; 292.64,175.94 292.51,175.94 v1(292.18,175.61) ; v1(12.67,44.85) 12.66,44.86 12.66,45.44 ; v1(208.04,229.75) 208.44,229.35 208.45,229.35 ; 186.16,168.81 185.57,168.81 v1(185.55,168.83) ; v1(154.12,77.99) 154.12,77.99 153.54,77.99 ; C13.2 v1(258.18,148.2) ; v1(55.85,170.9) 55.85,170.96 56,171.11 ; v1(211.57,245.95) 211.16,246.36 211.14,246.36 ; 203.12,237.2 203.18,237.2 v1(203.62,236.76) ; v1(32.87,189.24) 32.96,189.24 33.24,189.52 ; 35.08,191.8 34.93,191.65 v1(34.83,191.65) ; v1(239.28,142.84) 239.69,143.25 239.76,143.25 ; v1(21.14,203.27) 20.7,202.83 C30.2 ; C23.2 v1(115.37,20.94) ; C42.2 203.74,234.17 v1(203.29,233.72) ; C26.2 277.9,78.16 v1(277.46,77.72) ; 172.65,28.16 173.22,28.16 v1(173.22,28.16) ; 223.57,180.18 223.57,179.63 v1(223.58,179.63) ; v1(207.88,142.23) 207.88,142.24 207.88,142.81 ; v1(133.66,217.07) 134.16,217.57 C12.2 ; C33.2 v1(170.19,31.63) ; 224.33,115.08 224.29,115.08 v1(223.9,115.47) ; v1(166.84,149.59) 166.84,149.59 167.43,149.59 ; v1(166.94,35.38) 166.94,35.38 166.37,35.38 ; v1(182.21,249.33) 181.88,249.66 181.74,249.66 ; v1(131.85,190.05) 131.91,190.11 131.91,190.25 ; R9.2 22.65,119.13 24.45,117.33 U2.15 ; v1(227.29,264.62) 226.92,264.99 226.86,264.99 ; 79.86,166.03 79.91,166.08 v1(79.95,166.08) ; 231.74,138.2 231.74,137.83 v1(231.46,137.55) ; 210.85,168.74 211.43,168.74 v1(211.43,168.73) ; v1(250.67,92.57) 250.29,92.95 250.28,92.95 ; 173.03,174.75 172.78,174.75 v1(172.7,174.66) ; C6.2 148.35,206.24 v1(147.91,205.8) ; 171.19,219.19 171.19,219.87 v1(171.2,219.87) ; v1(215.93,242.25) 216.01,242.25 216.1,242.34 ; v1(176.2,283.63) 176.19,283.62 C39.2 ; v1(166.93,174.41) 167.2,174.68 167.2,174.81 ; v1(23.94,200.46) 24.14,200.66 24.14,200.67 ; 173.18,294.25 173.18,293.69 v1(173.17,293.69) ; v1(223.59,198.34) 223.59,198.35 223.59,198.94 ; v1(262.3,140.89) 262.37,140.89 262.48,140.79 ; 160.79,190.24 160.79,189.66 v1(160.8,189.65) ; 166.34,28.17 166.91,28.17 v1(166.92,28.17) ; v1(173.15,288.45) 173.18,288.43 173.18,287.87 ; 186.91,142.77 186.91,142.18 v1(186.92,142.17) ; 166.37,51 166.94,51 v1(166.94,50.99) ; v1(223.56,191.16) 223.56,191.16 223.56,190.61 ; v1(71.28,255.38) 71.05,255.14 71.05,254.96 ; v1(55.19,165.24) 55.09,165.34 54.98,165.34 ; 266.37,91.26 266.37,91.26 v1(265.95,91.68) ; v1(177.13,219.79) 177.13,219.79 177.13,219.19 ; v1(64.12,264.21) 64.09,264.21 63.94,264.06 ; v1(55.2,168.21) 55.14,168.27 54.98,168.27 ; C36.2 v1(152.82,189.03) ; 22.52,119.21 22.52,120.5 v1(22.72,120.7) ; v1(91.76,7.22) 91.75,7.23 91.75,7.8 ; 49.88,176.05 49.92,176.01 v1(49.92,176) ; v1(97.15,166.17) 97.1,166.17 97.03,166.09 ; 62.11,261.79 62.08,261.76 v1(62.08,261.7) ; 111.38,17.95 111.94,17.95 v1(111.94,17.96) ; 196.78,156.22 196.78,155.64 v1(196.79,155.63) ; v1(24.49,87.85) 24.48,87.86 C0.2 23.57,87.31 v1(21.77,85.51) 21.75,85.53 U0.1 ; 226.51,198.94 226.36,199.09 v1(226.29,199.09) ; v1(214.31,141.27) 214.32,141.26 C16.2 ; C34.2 v1(193.64,171.3) ; 231.31,105.46 231.33,105.46 v1(231.71,105.08) ; v1(62.76,169.4) 62.76,169.36 62.77,169.35 ; C38.2 v1(226.48,185.69) ; C2.2 16.39,80.33 v1(16.4,80.31) ; v1(173.19,272.6) 173.19,272.6 173.19,272.04 ; 7.53,215.22 7.41,215.1 v1(7.41,215.09) ; 176.1,287.88 176.1,288.48 v1(176.1,288.48) ; 299.02,141.42 299.02,141.89 v1(299.02,141.89) ; C29.2 v1(101.91,164.75) ; v1(115.67,172.89) 115.66,172.88 C8.2 ; v1(144.58,190.33) 144.58,190.28 144.62,190.24 ; 131.93,184.75 131.93,184.19 v1(131.93,184.19) ; v1(226.54,179.62) 226.53,179.62 226.53,180.17 ; v1(88.18,7.22) 88.19,7.23 88.19,7.81 ; v1(147.67,99.4) 147.66,99.41 147.09,99.41 ; C27.2 v1(72.85,164.87) ; v1(66.61,258.18) 67.05,258.62 C14.2 ; v1(78.52,249.28) 78.52,249.28 78.45,249.36 ; 264.4,89.05 264.4,89.05 v1(264.4,89.07) ; C3.2 25.88,98.23 v1(25.9,98.25) ; C37.2 v1(176.13,267.8) ; 100.02,233.01 99.98,232.97 v1(99.98,232.92) ; 28.98,196.76 29.02,196.79 v1(29.25,196.79) ; 228.91,143.44 228.91,143.34 v1(228.53,142.96) ; v1(173.19,51) 173.19,51 172.6,51 ; v1(112.84,230.57) 112.84,230.28 112.92,230.19 ; v1(185.79,227.49) 185.8,227.48 C11.2 ; 52.34,177.81 52.57,177.81 v1(52.75,177.63) ; v1(274.55,158.66) 274.15,158.26 274.11,158.26 ; v1(101.85,235.24) 101.82,235.24 101.82,235.25 ; 23.71,74.73 v1(25.45,74.73) ; v1(240.79,101.21) 241.18,100.82 241.18,100.81 ; C32.2 v1(131.48,188.99) ; v1(47.52,273.24) 47.75,273.02 ; v1(298.79,146.76) 298.89,146.76 298.98,146.68 ; v1(94.43,240.89) 94.44,240.89